# Allegro board ADRV9371-N_PCBZ_Layout_RevB.brd (continued)
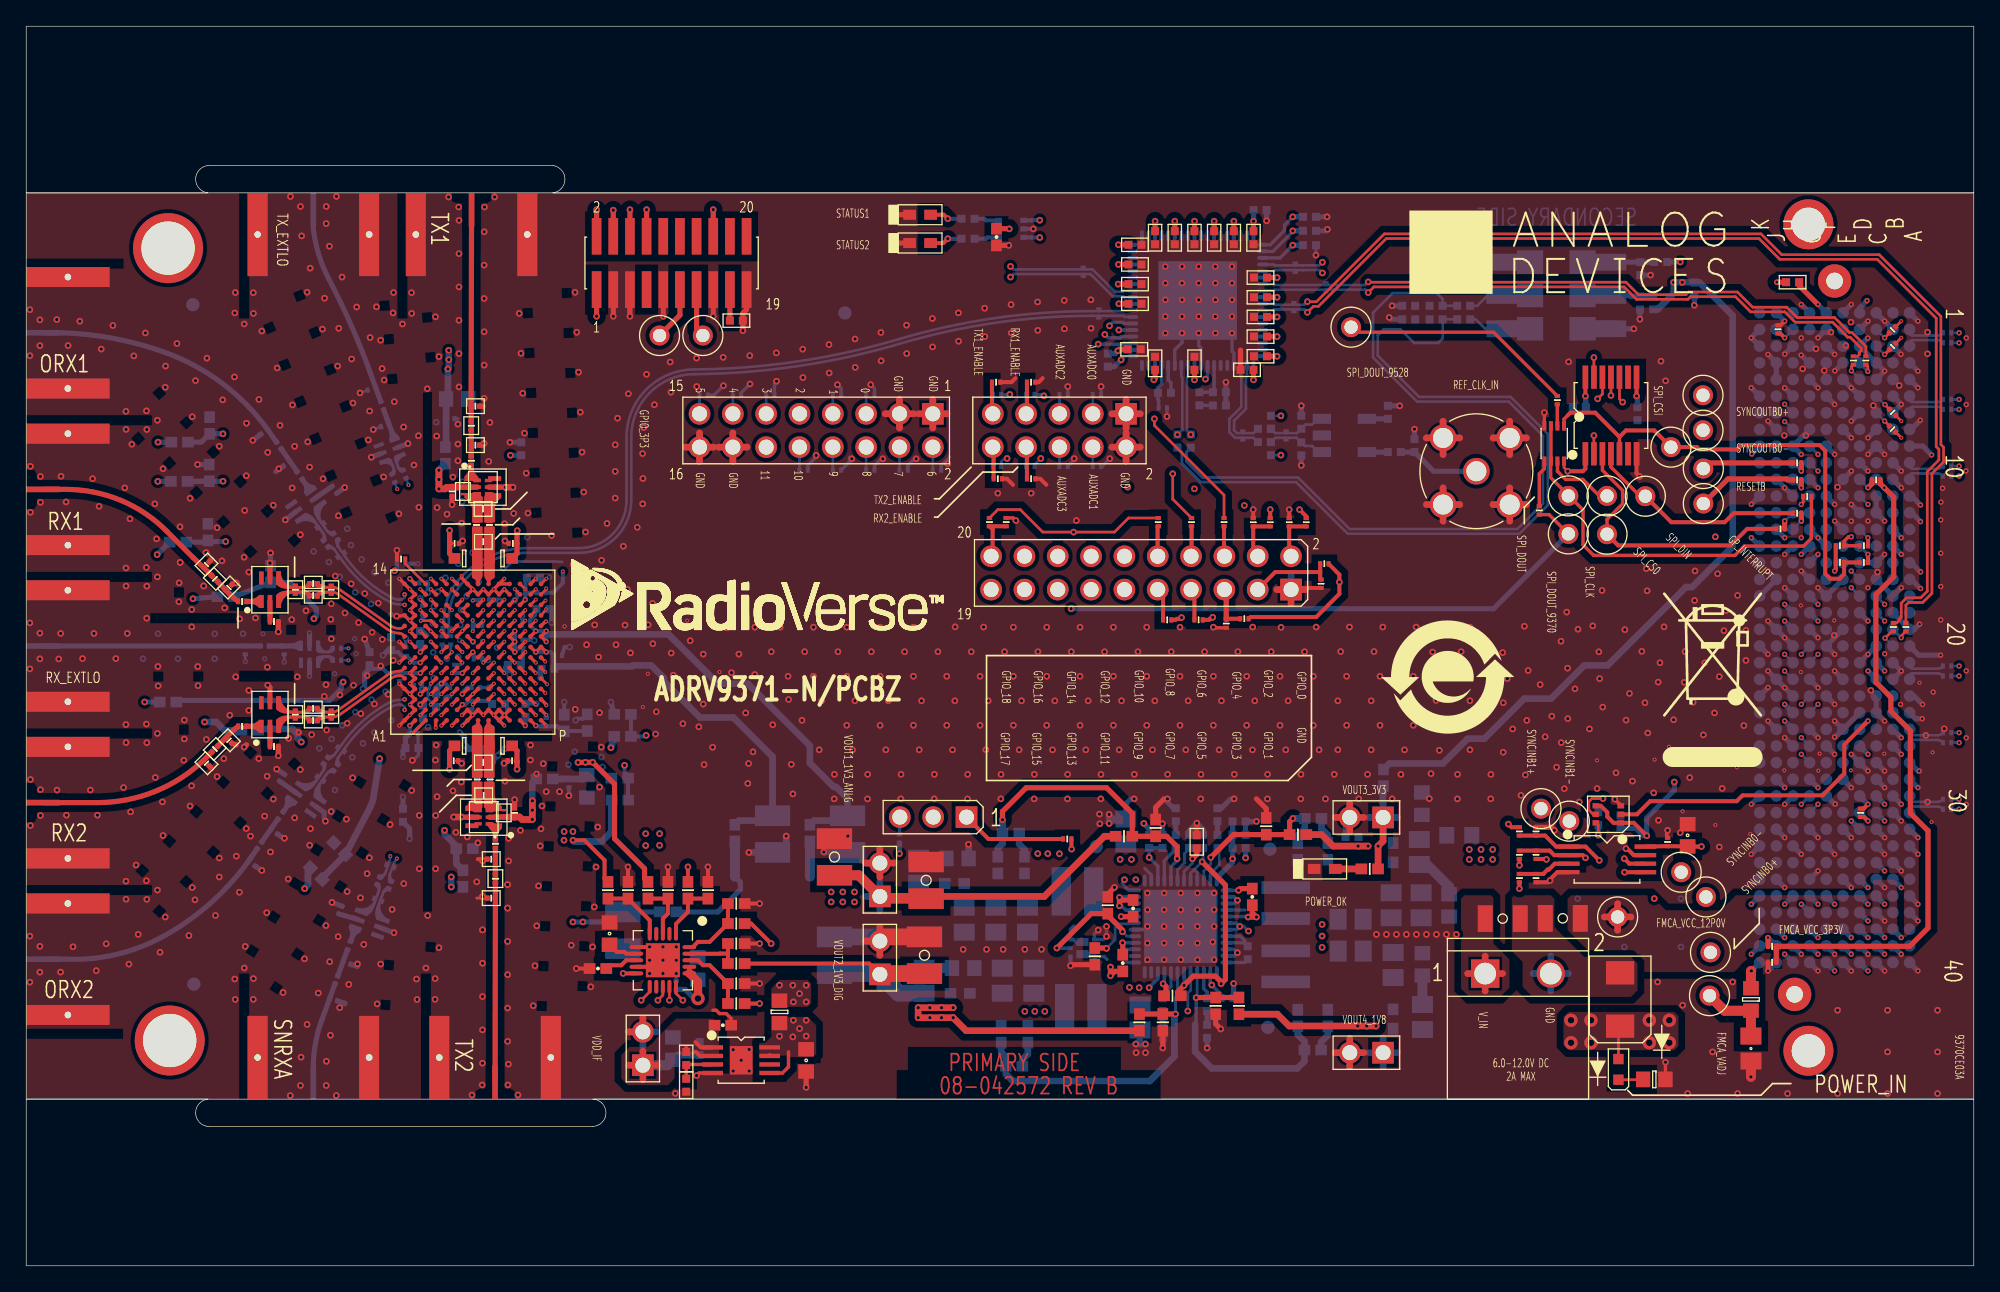
[diagram p0: board, top side]
## Placement (name value [footprint] x y rotation side) (continued)
R317  TBD0201  [R0201]  35.35 37.07 270 top
R318  TBD0201  [R0201]  34.37 37.07 270 top
R401  49.9  [R0402]  105.81 62.52 270 bottom
R402  0  [R0402]  103.78 65.06 270 bottom
R403  24.9  [R0402]  97.18 64.3 270 bottom
R404  24.9  [R0402]  97.18 62.27 270 bottom
R405  100  [R0201]  96.02 63.29 270 bottom
R406  100  [R0201]  92.72 63.29 270 bottom
R407  0  [R0402]  124.57 76.52 180 bottom
R408  0  [R0402]  124.01 73.41 270 bottom
R409  0  [R0402]  122.99 73.41 90 bottom
R410  0  [R0402]  109.56 72.15 180 bottom
R411  0  [R0402]  109.56 73.18 180 bottom
R412  49.9  [R0402]  107.46 72.15 0 bottom
R413  0  [R0402]  107.46 73.18 180 bottom
R414  0  [R0402]  87.74 62.86 90 bottom
R415  10.2K  [R0402]  89.42 66.09 90 bottom
R416  10K  [R0402]  82.44 69.04 270 bottom
R417  10K  [R0402]  97.8 77.8 180 bottom
R418  10K  [R0402]  97.8 79.96 0 bottom
R419  10K  [R0402]  97.8 78.89 0 bottom
R420  200  [R0402]  71.79 78.29 180 bottom
R421  200  [R0402]  71.79 79.82 180 bottom
R422  100  [R0201]  96.63 73.07 270 bottom
R423  100  [R0201]  96.72 76.08 90 bottom
R424  100  [R0201]  80.57 75.77 270 bottom
R425  100  [R0201]  81.75 72.59 90 bottom
R426  0  [R0201]  116.7 65.99 90 top
R427  0  [R0201]  115.33 57.58 270 top
R428  0  [R0402]  105.37 72.15 180 bottom
R429  100  [R0201]  99.07 74.6 270 bottom
R501  100  [R0201]  32.03 48.56 0 bottom
R502  10K  [R0201]  39.29 51.31 0 bottom
R503  10K  [R0201]  133.07 24.35 0 top
R504  1K  [R0201]  133.07 23.13 180 top
R505  14.3K  [R0201]  28.57 53.88 0 top
R506  10K  [R0201]  74.05 59.99 0 top
R507  10K  [R0201]  73.92 67.36 0 top
R508  10K  [R0201]  76.59 67.36 0 top
R509  10K  [R0201]  76.59 59.99 0 top
R510  10K  [R0201]  92.85 49.32 180 top
R511  10K  [R0201]  94.81 56.68 270 top
R512  10K  [R0201]  98.94 53.51 180 top
R513  10K  [R0201]  97.56 56.68 270 top
R514  10K  [R0201]  91.46 48.95 270 top
R515  10K  [R0201]  93.52 56.68 90 top
R516  10K  [R0201]  98.69 51.99 270 top
R517  10K  [R0201]  96.26 56.68 90 top
R518  10K  [R0201]  74.69 56.69 90 top
R519  0  [R0201]  86.97 49.23 0 top
R520  0  [R0201]  86.28 56.69 90 top
R521  0  [R0201]  73.42 56.69 90 top
R522  0  [R0201]  89.35 49.23 0 top
R523  0  [R0201]  88.82 56.69 90 top
R524  0  [R0201]  91.29 56.69 90 top
R525  51K  [R0402]  54.13 72.05 180 top
R601  0  [R0402#2]  48.9 26.97 180 bottom
R602  56K  [R0402#2]  54.12 19.99 0 top
R603  10K  [R0402#2]  54.12 21.51 0 top
R604  10K  [R0402#2]  54.12 23.04 180 top
R605  10K  [R0402#2]  54.12 24.56 180 top
R606  10K  [R0402#2]  54.12 26.09 180 top
R607  10K  [R0402#2]  54.12 27.61 180 top
R608  10K  [R0402#2]  50.43 28.63 270 top
R609  10K  [R0402#2]  51.96 28.63 270 top
R610  10K  [R0402#2]  47.39 28.63 270 top
R611  10K  [R0402#2]  48.91 28.63 270 top
R612  10K  [R0402#2]  44.34 28.63 270 top
R613  10K  [R0402#2]  45.86 28.63 270 top
R614  0  [R0402]  34.81 38.91 270 bottom
R615  0  [R0402]  28.71 34.34 270 bottom
R701  2K  [R0603]  124.09 14.21 180 top
R702  200  [R0201]  79.35 32.53 180 top
R703  100K  [R0402#2]  87.36 20.59 0 top
R704  10K  [R0402]  87.62 32.35 270 bottom
R705  43.2K  [R0402]  85.59 32.35 270 bottom
R706  100K  [R0402]  86.6 32.35 90 bottom
R707  10K  [R0402]  86.63 19.9 90 bottom
R708  20K  [R0402]  90.79 32.35 270 bottom
R709  56K  [R0402]  92.44 31.84 180 bottom
R710  14K  [R0402]  92.44 32.85 0 bottom
R711  20K  [R0402]  90 19.9 90 bottom
R712  0  [R0201]  66.56 32.56 270 bottom
R713  32.4K  [R0402]  88.63 32.35 90 bottom
R714  10K  [R0402#2]  86.08 33.37 90 top
R715  0  [R0402#2]  75.04 32.98 0 bottom
R716  6.34K  [R0402#2]  83.67 32.74 180 top
R717  10.7K  [R0402#2]  74.05 30.54 270 bottom
R718  47K  [R0402#2]  81.45 23.58 90 top
R719  47K  [R0402#2]  82.43 27.48 270 top
R720  10K  [R0402#2]  86.63 18.55 90 top
R721  0  [R0402#2]  75.3 15.2 0 bottom
R722  10K  [R0402#2]  74.31 17.64 90 bottom
R723  6.34K  [R0402#2]  84.85 18.55 270 top
R724  10K  [R0402#2]  94.51 33.5 270 top
R725  0  [R0402#2]  98.08 34.1 0 bottom
R726  37.4K  [R0402#2]  96.91 31.58 270 bottom
R727  31.6K  [R0402#2]  96.93 32.87 0 top
R728  10K  [R0402#2]  90.65 19.81 90 top
R729  0  [R0402#2]  98.06 16.45 0 bottom
R730  27.4K  [R0402#2]  96.91 18.88 90 bottom
R731  12.7K  [R0402#2]  92.43 19.81 270 top
R732  0.1  [R0603]  70.98 31.05 0 bottom
R733  0.1  [R0603]  71.41 22.69 0 bottom
R734  0.1  [R0603]  108.45 27.47 270 bottom
R735  200  [R0402#2]  102.4 30.25 180 top
R736  0  [R0603]  57.41 19.35 270 top
R737  0.47  [R0603]  106.41 22.97 90 bottom
R738  0  [R0603]  131.45 20.3 90 top
R739  20K  [R0402]  50.3 15.79 90 top
R740  4.99K  [R0402]  50.3 13.76 90 top
R801  0  [R0201]  133.52 71.39 270 top
R802  0  [R0201]  134.98 61.2 0 top
R803  0  [R0201]  134.98 59.91 0 top
R804  0  [R0201]  133.71 56.17 0 top
R805  0  [R0201]  134.98 57.37 0 top
R806  0  [R0201]  135.75 58.64 180 top
R807  1K  [R0402]  134.63 74.98 0 top
R808  10K  [R0201]  138.24 54.89 0 top
R809  10K  [R0201]  138.24 53.62 0 top
R810  0  [R0201]  141 59.91 180 top
R811  0  [R0201]  140.06 54.89 0 top
R812  0  [R0201]  140.06 53.62 0 top
R813  0  [R0201]  73.99 66.42 0 bottom
R814  0  [R0201]  76.53 66.42 0 bottom
R815  0  [R0201]  139.81 34.53 90 top
R816  0  [R0201]  73.99 60.93 0 bottom
R817  0  [R0201]  76.53 60.93 0 bottom
R818  20K  [R0201]  113.8 33.11 90 top
R819  20K  [R0201]  115.07 33.11 270 top
R820  20K  [R0201]  113.8 31.33 270 top
R821  20K  [R0201]  115.07 31.33 90 top
R822  20K  [R0201]  113.8 29.55 270 top
R823  20K  [R0201]  115.07 29.55 90 top
T200  2450BL15B200E  [XFMR2450BL15B050]  18.58 51.54 0 top
T201  2450BL15B200E  [XFMR2450BL15B050]  18.58 42.02 0 top
T202  2450BL15B200E  [XFMR2450BL15B050]  26.16 26.08 70 bottom
T203  2450BL15B200E  [XFMR2450BL15B050]  21.31 58.02 305 bottom
T204  2450BL15B200E  [XFMR2450BL15B050]  21.31 35.53 55 bottom
T305  2450BL15B200E  [XFMR2450BL15B050]  34.81 59.36 270 top
T306  2450BL15B200E  [XFMR2450BL15B050]  34.87 34.2 90 top
T307  HHM1595A1  [T0805_A]  21.59 46.61 0 bottom
T308  HHM1595A1  [T0805_A]  27.69 62.15 290 bottom
T309  2500BL14M050T  [T0603-6P]  34.81 59.36 270 top
T310  2500BL14M050T  [T0603-6P]  34.87 34.2 90 top
T401  MABA-007159-000000  [ETC1]  100.47 63.29 270 bottom
TP401  WHT  [CNKEY5001TP]  100.97 71.55 0 top
TP402  WHT  [CNKEY5001TP]  117.54 55.79 0 top
TP501  WHT  [CNKEY5001TP]  51.57 70.91 0 top
TP502  WHT  [CNKEY5001TP]  48.27 70.91 0 top
TP801  WHT  [CNKEY5001TP]  123.41 58.66 0 top
TP802  WHT  [CNKEY5001TP]  120.48 55.77 0 top
TP803  WHT  [CNKEY5001TP]  127.83 58.1 0 top
TP804  WHT  [CNKEY5001TP]  127.83 60.77 0 top
TP805  WHT  [CNKEY5001TP]  127.8 66.36 0 top
TP806  WHT  [CNKEY5001TP]  127.8 63.69 0 top
TP807  WHT  [CNKEY5001TP]  128.03 28.11 45 top
TP808  WHT  [CNKEY5001TP]  126.14 30 45 top
TP809  WHT  [CNKEY5001TP]  117.54 58.69 0 top
TP810  WHT  [CNKEY5001TP]  115.45 34.84 0 top
TP811  WHT  [CNKEY5001TP]  117.61 33.89 0 top
TP812  WHT  [CNKEY5001TP]  128.3 20.59 0 top
TP813  WHT  [CNKEY5001TP]  120.48 58.69 0 top
TP814  WHT  [CNKEY5001TP]  125.36 62.4 0 top
TP815  WHT  [CNKEY5001TP]  121.29 26.59 0 top
TP816  WHT  [CNKEY5001TP]  128.37 23.89 0 top
U101  AD9370  [BGA196]  34.04 46.78 0 top
U401  AD9528BCPZ  [QFN72_10X10_PAD5_3X5_3]  89.29 73.58 180 bottom
U402  NC7WZ16P6X  [SC70]  75.07 79.04 270 bottom
U403  NC7WV125K8X  [US8]  116.46 62.68 180 top
U404  ADG3301BKSZ  [SC70-6]  120.58 34.41 90 top
U405  ADG3304SRU-EP  [TSSOP14]  120.79 64.82 0 top
U601  AD7291BCPZ  [QFN20_4X4_PAD2_6X2_6]  48.52 23.29 180 top
U701  ADP5054ACPZ  [QFN48_7X7_PAD5_6X5_6]  88 25.87 270 bottom
U702  ADP125ARHZ-R7  [MSOP8_PAD2_16X1_73]  54.49 15.67 270 top
U801  M24C02-WDW6TP  [TSSOP8]  120.48 30.98 270 top
Y401  122.88MEGHZ  [YSML276W197H71]  116.62 73.96 270 bottom
Y402  122.88MEGHz  [YSML555W358H240]  116.62 73.96 270 bottom
Y403  122.88MEGHZ  [LCC4H210]  116.62 73.96 270 bottom

## Library data of the parts
C200 C202-C204 C207 C208 C211-C213 C216 C217 C219-C221 C224 C225 C227-C229 C232 C233 C235 C237 C240 C303 C304 C307-C311 C315-C319 C323 C324 C328-C331 C334 C335 = CAP: User Part Number: UPN; part number: CAP_SM-TBD0201,TBD0201,TBD0201,E005718,C0201
C201 C205 C206 C209 C214 C215 C218 C222 C223 C226 C230 C231 C234 C236 C238 C239 C241-C245 C301 C302 C305 C306 = CAP: Tolerance: 5; User Part Number: UPN; part number: CAP_SM-18PF,25V,5,E014429,C0201; tolerance: 5
C320 C325 C648 C650 C736 C804 = CAP: Tolerance: 20; User Part Number: UPN; part number: CAP_SM-10UF,6.3V,20,E007143,C0603; tolerance: 20
C321 C322 C326 C327 C501-C532 C605 C606 C610 C613 C615 C617 C619 C621 C623 C625 C627 C629 C631 C633 C635 C637 C640 C641 C649 C654 C803 = CAP: Tolerance: 10; User Part Number: UPN; part number: CAP_SM-0.1UF,6.3V,10,E011567,C0201; tolerance: 10
C332 C333 C336 C337 = CAP: Tolerance: 10; User Part Number: UPN; part number: CAP_SM-100PF,25V,10,E006763,C0201; tolerance: 10
C401-C403 C405-C409 C414-C419 C421-C439 C713 C715 C717 C719 C738 = CAP: Tolerance: 10; User Part Number: UPN; alternate symbols: C0402_ALT; part number: CAP_SM-0.1UF,16V,10,E007200,C0402; tolerance: 10
C404 = CAP: Tolerance: 10; User Part Number: UPN; alternate symbols: C0402_ALT; part number: CAP_SM-0.33UF,10V,10,E011273,C0402; tolerance: 10
C410 = CAP: Tolerance: 5; User Part Number: UPN; alternate symbols: C0402_ALT; part number: CAP_SM-180PF,50V,5,E012612,C0402; tolerance: 5
C411 C420 C603 C604 C609 C612 C614 C616 C618 C620 C622 C624 C626 C628 C630 C632 C634 C636 C643-C647 C651 C653 C702 C703 = CAP: Tolerance: 10; User Part Number: UPN; alternate symbols: C0402_ALT; part number: CAP_SM-1UF,6.3V,10,E007449,C0402; tolerance: 10
C412 = CAP: Tolerance: 5; User Part Number: UPN; alternate symbols: C0402_ALT; part number: CAP_SM-1000PF,50V,5,E012419,C0402; tolerance: 5
C413 = CAP: Tolerance: 20; User Part Number: UPN; part number: CAP_SM-0.47UF,4V,20,E008196,C0201; tolerance: 20
C601 C602 C608 C611 C638 C639 C652 = CAP: Tolerance: 20; User Part Number: UPN; part number: CAP_SM-100UF,6.3V,20,E006532,C1210; tolerance: 20
C642 C801 C802 C805 C806 = CAP: Tolerance: 10; User Part Number: UPN; part number: CAP_SM-0.01UF,10V,10,E007201,C0201; tolerance: 10
C701 C705 C707 C709 = CAP: Tolerance: 10; User Part Number: UPN; part number: CAP_SM-10UF,25V,10,E014704,C0805H60; tolerance: 10
C704 C706 = CAP: Tolerance: 10; User Part Number: UPN; alternate symbols: C0402_ALT; part number: CAP_SM-2700PF,50V,10,E006649,C0402; tolerance: 10
C708 C710 = CAP: Tolerance: 10; User Part Number: UPN; alternate symbols: C0402_ALT; part number: CAP_SM-3300PF,50V,10,E007461,C0402; tolerance: 10
C711 C712 = CAP: User Part Number: UPN; alternate symbols: C0402_ALT; part number: CAP_SM-TBD0402,TBD0402,TBD0402,E000381,C0402
C714 C716 C718 C720 C735 C737 = CAP: Tolerance: 10; User Part Number: UPN; alternate symbols: C0402_ALT; part number: CAP_SM-0.01UF,25V,10,E010983,C0402; tolerance: 10
C721-C730 C732 C739 = CAP: Tolerance: 20; User Part Number: UPN; part number: CAP_SM-47UF,6.3V,20,E008247,C0805H60; tolerance: 20
C731 = CAP: Tolerance: 20; User Part Number: UPN; part number: CAP_SM-22UF,6.3V,20,E006534,C0805H53; tolerance: 20
C733 C734 = CAP: Tolerance: 10; User Part Number: UPN; part number: CAP_SM-4.7UF,6.3V,10,E010382,C0603; tolerance: 10
CR701 = DIO: User Part Number: UPN; Tolerance: N/A; alternate symbols: (DO15_ALT); part number: DIO_SM-S2A-TP,50V,N/A,E006293,DO214AA3; tolerance: N/A
D401 D402 DS702 = DIOLED: Tolerance: N/A; User Part Number: UPN; part number: DIOLED_SM-LNJ314G8TRA (GREEN),4V,N/A,E006309,LED0603; tolerance: N/A
DS701 = DIOLED: Tolerance: N/A; User Part Number: UPN; part number: DIOLED_SM-LNJ912W8CRA1 (BLUE),2.9V,N/A,E014695,LED0603-2; tolerance: N/A
E601-E603 E605 E607 E609 E610 E612 E613 E706 = FERRITE: Tolerance: 25; User Part Number: UPN; alternate symbols: (L1210H59_ALT); part number: FERRITE_SM-30OHM,25,E015998,L0402; tolerance: 25
E604 E606 E608 E611 = FERRITE: Tolerance: 25; User Part Number: UPN; alternate symbols: (L1210H59_ALT); part number: FERRITE_SM-47OHM AT 100MHZ,25,E021634,L0402; tolerance: 25
E701 = FERRITE: Tolerance: 25; User Part Number: UPN; alternate symbols: (L1210H59_ALT); part number: FERRITE_SM-120OHM,25,E012242,L0603; tolerance: 25
E702-E704 = FERRITE: Tolerance: 25; User Part Number: UPN; alternate symbols: (L1210H59_ALT); part number: FERRITE_SM-470OHM,25,E021228,L0603; tolerance: 25
E705 = FERRITE: Tolerance: N/A; User Part Number: UPN; alternate symbols: (L1210H59_ALT); part number: FERRITE_SM-39OHM,N/A,E002359,L0805; tolerance: N/A
F701 F702 = FSFUSE: User Part Number: UPN; part number: FSFUSE_SM-2A,63V,E005321,F1206
J200-J204 J305-J308 = CNBNC5P: User Part Number: UPN; alternate symbols: (CNAMPHENOL132255-11_ALT); part number: CNBNC5P_SM-132255-11,E017863,CNAMPHENOL132255-11
J401 = CNBNC5P: User Part Number: UPN; alternate symbols: (CNAMPHENOL132255-11_ALT); part number: CNBNC5P_TH-142-0701-201,E000916,CNJOHNSON142-0701-201
L200-L202 L204-L209 L211 L213-L219 L221-L227 L229-L235 L237-L240 L301-L306 L311 L319 L323 L324 L328 L329 = IND: User Part Number: UPN; part number: IND_SM-TBD0201,TBD0201,E007524,L0201
L307 L308 L315 L316 = IND: User Part Number: UPN; part number: IND_SM-TBD0603,TBD0603,E002419,L0603
L340 L341 = IND: Tolerance: 5; User Part Number: UPN; part number: IND_SM-27NH,5,E022012,L0402; tolerance: 5
L700 L701 = IND: User Part Number: UPN; Tolerance: 20; part number: IND_SM-2.2UH,20,E016651,LSMSQ157H83; tolerance: 20
L702 L703 = IND: User Part Number: UPN; Tolerance: 20; part number: IND_SM-6.8UH,20,E017909,LSMSQ157H122; tolerance: 20
P501 = CN10P: User Part Number: UPN; part number: CN10P_TH-TSW-105-08-G-D,E006587,CNSAMTEC2X5H338LD36
P502 = CN20P: User Part Number: UPN; part number: CN20P_TH-PTC10DAAN,E000765,CNBERGF2X10H335LD32
P503 = CN16P_ODD_EVEN: User Part Number: UPN; part number: CN16P_ODD_EVEN_TH-TSW-108-08-G-D-ST,E007547,CNSAMTECTSW-108-08-G-D-ST
P504 = CN20P_V2: User Part Number: UPN; part number: CN20P_V2_SM-FTSH-110-01-L-DV-K,E020976,CNHDR2X10H251
P701 = CN2P: User Part Number: UPN; part number: CN2P_TH-Z5.530.3225.0,E008161,CNWIELAND3225
P702 = CN3P: User Part Number: UPN; part number: CN3P_TH-SAMTECTSW10608GS3PIN,E000812,CNBERG1X3H205LD36
P703-P707 = CN2P: User Part Number: UPN; part number: CN2P_TH-TSW-102-08-G-S,E006296,CNSAMTEC1X2H330LD36
P801 = CN400P_A_K: User Part Number: UPN; part number: CN400P_A_K_SM-ASP-134488-01,E011384,CNSAMTECASP-134488-01
Q701 = TRANNMOSFET_2PAD: User Part Number: UPN; part number: TRANNMOSFET_2PAD_SM-SIA906EDJ-T1-GE3,E015819,POWERPAKSC70-6
R201-R210 R212 R214 R215 R218 R220 R222 R223 R226 R228 R230 R231 R234 R236 R238 R239 R301-R304 R312 R313 R426 R427 R519-R524 R712 R801-R806 R810-R817 = RES: Tolerance: 5; User Part Number: UPN; part number: RES_SM-0,E004015,1/20W,5,R0201; tolerance: 5
R309 R310 R317 R318 = RES: User Part Number: UPN; part number: RES_SM-TBD0201,E004055,TBD0201,TBD0201,R0201
R401 R412 = RES: Tolerance: 1; User Part Number: UPN; alternate symbols: R0402_ALT; part number: RES_SM-49.9,E003750,1/16W,1,R0402; tolerance: 1
R402 R407-R411 R413 R414 R428 R601 R614 R615 = RES: Tolerance: 5; User Part Number: UPN; alternate symbols: R0402_ALT; part number: RES_SM-0,E003438,1/16W,5,R0402; tolerance: 5
R403 R404 = RES: Tolerance: 1; User Part Number: UPN; alternate symbols: R0402_ALT; part number: RES_SM-24.9,E003773,1/16W,1,R0402; tolerance: 1
R405 R406 = RES: Tolerance: 1; User Part Number: UPN; alternate symbols: R0402_ALT; part number: RES_SM-100,E007239,1/20W,1,R0201; tolerance: 1
R415 = RES: Tolerance: 1; User Part Number: UPN; alternate symbols: R0402_ALT; part number: RES_SM-10.2K,E019451,1/16W,1,R0402; tolerance: 1
R416-R419 R704 R707 = RES: Tolerance: 1; User Part Number: UPN; alternate symbols: R0402_ALT; part number: RES_SM-10K,E003751,1/16W,1,R0402; tolerance: 1
R420 R421 = RES: Tolerance: 1; User Part Number: UPN; alternate symbols: R0402_ALT; part number: RES_SM-200,E003753,1/16W,1,R0402; tolerance: 1
R422-R425 R429 R501 = RES: Tolerance: 1; User Part Number: UPN; part number: RES_SM-100,E007239,1/20W,1,R0201; tolerance: 1
R502 R503 R506-R518 R808 R809 = RES: Tolerance: 1; User Part Number: UPN; part number: RES_SM-10K,E004011,1/20W,1,R0201; tolerance: 1
R504 = RES: Tolerance: 1; User Part Number: UPN; part number: RES_SM-1K,E004010,1/20W,1,R0201; tolerance: 1
R505 = RES: Tolerance: 1; User Part Number: UPN; part number: RES_SM-14.3K,E014068,1/20W,1,R0201; tolerance: 1
R525 = RES: Tolerance: 1; User Part Number: UPN; alternate symbols: R0402_ALT; part number: RES_SM-51K,E013080,1/10W,1,R0402; tolerance: 1
R602 R709 = RES: Tolerance: 1; User Part Number: UPN; alternate symbols: R0402_ALT; part number: RES_SM-56K,E017978,1/10W,1,R0402; tolerance: 1
R603-R613 R714 R720 R722 R724 R728 = RES: Tolerance: 1; User Part Number: UPN; part number: RES_SM-10K,E003751,1/16W,1,R0402; tolerance: 1
R701 = RES: Tolerance: 1; User Part Number: UPN; part number: RES_SM-2K,E017866,1/16W,1,R0603; tolerance: 1
R702 = RES: Tolerance: 1; User Part Number: UPN; part number: RES_SM-200,E004008,1/20W,1,R0201; tolerance: 1
R703 R706 = RES: Tolerance: 5; User Part Number: UPN; alternate symbols: R0402_ALT; part number: RES_SM-100K,E003464,1/10W,5,R0402; tolerance: 5
R705 = RES: Tolerance: 1; User Part Number: UPN; alternate symbols: R0402_ALT; part number: RES_SM-43.2K,E018504,1/10W,1,R0402; tolerance: 1
R708 R711 R739 = RES: Tolerance: 1; User Part Number: UPN; alternate symbols: R0402_ALT; part number: RES_SM-20K,E003791,1/16W,1,R0402; tolerance: 1
R710 = RES: Tolerance: 1; User Part Number: UPN; alternate symbols: R0402_ALT; part number: RES_SM-14K,E019660,1/16W,1,R0402; tolerance: 1
R713 = RES: Tolerance: 1; User Part Number: UPN; alternate symbols: R0402_ALT; part number: RES_SM-32.4K,E017609,1/10W,1,R0402; tolerance: 1
R715 R721 R725 R729 = RES: Tolerance: 5; User Part Number: UPN; part number: RES_SM-0,E003438,1/16W,5,R0402; tolerance: 5
R716 R723 = RES: Tolerance: 1; User Part Number: UPN; part number: RES_SM-6.34K,E003777,1/16W,1,R0402; tolerance: 1
R717 = RES: Tolerance: 1; User Part Number: UPN; part number: RES_SM-10.7K,E019637,1/16W,1,R0402; tolerance: 1
R718 R719 = RES: Tolerance: 1; User Part Number: UPN; part number: RES_SM-47K,E008189,1/16W,1,R0402; tolerance: 1
R726 = RES: Tolerance: 1; User Part Number: UPN; part number: RES_SM-37.4K,E017173,1/10W,1,R0402; tolerance: 1
R727 = RES: Tolerance: 1; User Part Number: UPN; part number: RES_SM-31.6K,E019881,1/10W,1,R0402; tolerance: 1
R730 = RES: Tolerance: 1; User Part Number: UPN; part number: RES_SM-27.4K,E021819,1/10W,1,R0402; tolerance: 1
R731 = RES: Tolerance: 1; User Part Number: UPN; part number: RES_SM-12.7K,E019976,1/10W,1,R0402; tolerance: 1
R732-R734 = RES: Tolerance: 1; User Part Number: UPN; part number: RES_SM-0.1,E016658,1/10W,1,R0603; tolerance: 1
R735 = RES: Tolerance: 1; User Part Number: UPN; part number: RES_SM-200,E003753,1/16W,1,R0402; tolerance: 1
R736 R738 = RES: Tolerance: 5; User Part Number: UPN; part number: RES_SM-0,E006826,1/10W,5,R0603; tolerance: 5
R737 = RES: Tolerance: 5; User Part Number: UPN; part number: RES_SM-0.47,E015794,1/10W,5,R0603; tolerance: 5
R740 = RES: Tolerance: 1; User Part Number: UPN; alternate symbols: R0402_ALT; part number: RES_SM-4.99K,E006643,1/16W,1,R0402; tolerance: 1
R807 = RES: Tolerance: 5; User Part Number: UPN; alternate symbols: R0402_ALT; part number: RES_SM-1K,E020936,1/16W,5,R0402; tolerance: 5
R818-R823 = RES: Tolerance: 1; User Part Number: UPN; part number: RES_SM-20K,E004013,1/20W,1,R0201; tolerance: 1
T200-T204 T305 T306 = XFMR3600BL: User Part Number: UPN; alternate symbols: (XFMR2012); part number: XFMR3600BL_SM-2450BL15B200E,E011952,XFMR2450BL15B050
T307 T308 = XFMRBD0826: User Part Number: UPN; part number: XFMRBD0826_SM-HHM1595A1,E016462,T0805_A
T309 T310 = XFMR3600BL: User Part Number: UPN; alternate symbols: (XFMR2012); part number: XFMR3600BL_SM-2500BL14M050T,E011543,T0603-6P
T401 = XFMRETC1: User Part Number: UPN; part number: XFMRETC1_SM-MABA-007159-000000,E006308,ETC1
TP401 TP402 TP501 TP502 TP801-TP816 = CNTP1P: User Part Number: UPN; alternate symbols: (CNBANANA_ALT); part number: CNTP1P_TH-WHT,E005683,CNKEY5001TP
U101 = AD9370_V2: User Part Number: UPN; alternate symbols: (RDC-9501-14-0250); part number: AD9370_V2_SM-AD9370,E020941,BGA196
U401 = AD9528: User Part Number: UPN; part number: AD9528_SM-AD9528BCPZ,E019427,QFN72_10X10_PAD5_3X5_3
U402 = NC7WZ17P6X: User Part Number: UPN; part number: NC7WZ17P6X_SM-NC7WZ16P6X,E002060,SC70
U403 = CMOSNC7WV125K8X: User Part Number: UPN; part number: CMOSNC7WV125K8X_SM-NC7WV125K8X,E017378,US8
U404 = ADG3301: User Part Number: UPN; part number: ADG3301_SM-ADG3301BKSZ,E010847,SC70-6
U405 = ADG3304: User Part Number: UPN; part number: ADG3304_SM-ADG3304SRU-EP,E020776,TSSOP14
U601 = AD7291: User Part Number: UPN; part number: AD7291_SM-AD7291BCPZ,E017361,QFN20_4X4_PAD2_6X2_6
U701 = ADP5054: User Part Number: UPN; part number: ADP5054_SM-ADP5054ACPZ,E019222,QFN48_7X7_PAD5_6X5_6
U702 = ADP125: User Part Number: UPN; part number: ADP125_SM-ADP125ARHZ-R7,E012587,MSOP8_PAD2_16X1_73
U801 = ICM24CXX: User Part Number: UPN; part number: ICM24CXX_SM-M24C02-WDW6TP,E017713,TSSOP8
Y401 = XTALOSC6P: User Part Number: UPN; part number: XTALOSC6P_SM-122.88MEGHZ,E013348,YSML276W197H71
Y402 = XTALOSC6P_V2: User Part Number: UPN; part number: XTALOSC6P_V2_SM-122.88MEGHZ,E010834,YSML555W358H240
Y403 = XTALCPP: User Part Number: UPN; part number: XTALCPP_SM-122.88MEGHZ,E015639,LCC4H210

## Footprints (pads in the part's own frame, mm; a bottom-side part is the same pattern mirrored in y, then rotated)
BGA196
  round 0.356 smd: A1(-5.2,-5.2) A2(-5.2,-4.4) A3(-5.2,-3.6) A4(-5.2,-2.8) A5(-5.2,-2) A6(-5.2,-1.2) A7(-5.2,-0.4) A8(-5.2,0.4) A9(-5.2,1.2) A10(-5.2,2) A11(-5.2,2.8) A12(-5.2,3.6) A13(-5.2,4.4) A14(-5.2,5.2) B1(-4.4,-5.2) B2(-4.4,-4.4) B3(-4.4,-3.6) B4(-4.4,-2.8) B5(-4.4,-2) B6(-4.4,-1.2) B7(-4.4,-0.4) B8(-4.4,0.4) B9(-4.4,1.2) B10(-4.4,2) B11(-4.4,2.8) B12(-4.4,3.6) B13(-4.4,4.4) B14(-4.4,5.2) C1(-3.6,-5.2) C2(-3.6,-4.4) C3(-3.6,-3.6) C4(-3.6,-2.8) C5(-3.6,-2) C6(-3.6,-1.2) C7(-3.6,-0.4) C8(-3.6,0.4) C9(-3.6,1.2) C10(-3.6,2) C11(-3.6,2.8) C12(-3.6,3.6) C13(-3.6,4.4) C14(-3.6,5.2) D1(-2.8,-5.2) D2(-2.8,-4.4) D3(-2.8,-3.6) D4(-2.8,-2.8) D5(-2.8,-2) D6(-2.8,-1.2) D7(-2.8,-0.4) D8(-2.8,0.4) D9(-2.8,1.2) D10(-2.8,2) D11(-2.8,2.8) D12(-2.8,3.6) D13(-2.8,4.4) D14(-2.8,5.2) E1(-2,-5.2) E2(-2,-4.4) E3(-2,-3.6) E4(-2,-2.8) E5(-2,-2) E6(-2,-1.2) E7(-2,-0.4) E8(-2,0.4) E9(-2,1.2) E10(-2,2) E11(-2,2.8) E12(-2,3.6) E13(-2,4.4) E14(-2,5.2) F1(-1.2,-5.2) F2(-1.2,-4.4) F3(-1.2,-3.6) F4(-1.2,-2.8) F5(-1.2,-2) F6(-1.2,-1.2) F7(-1.2,-0.4) F8(-1.2,0.4) F9(-1.2,1.2) F10(-1.2,2) F11(-1.2,2.8) F12(-1.2,3.6) F13(-1.2,4.4) F14(-1.2,5.2) G1(-0.4,-5.2) G2(-0.4,-4.4) G3(-0.4,-3.6) G4(-0.4,-2.8) G5(-0.4,-2) G6(-0.4,-1.2) G7(-0.4,-0.4) G8(-0.4,0.4) G9(-0.4,1.2) G10(-0.4,2) G11(-0.4,2.8) G12(-0.4,3.6) G13(-0.4,4.4) G14(-0.4,5.2) H1(0.4,-5.2) H2(0.4,-4.4) H3(0.4,-3.6) H4(0.4,-2.8) H5(0.4,-2) H6(0.4,-1.2) H7(0.4,-0.4) H8(0.4,0.4) H9(0.4,1.2) H10(0.4,2) H11(0.4,2.8) H12(0.4,3.6) H13(0.4,4.4) H14(0.4,5.2) J1(1.2,-5.2) J2(1.2,-4.4) J3(1.2,-3.6) J4(1.2,-2.8) J5(1.2,-2) J6(1.2,-1.2) J7(1.2,-0.4) J8(1.2,0.4) J9(1.2,1.2) J10(1.2,2) J11(1.2,2.8) J12(1.2,3.6) J13(1.2,4.4) J14(1.2,5.2) K1(2,-5.2) K2(2,-4.4) K3(2,-3.6) K4(2,-2.8) K5(2,-2) K6(2,-1.2) K7(2,-0.4) K8(2,0.4) K9(2,1.2) K10(2,2) K11(2,2.8) K12(2,3.6) K13(2,4.4) K14(2,5.2) L1(2.8,-5.2) L2(2.8,-4.4) L3(2.8,-3.6) L4(2.8,-2.8) L5(2.8,-2) L6(2.8,-1.2) L7(2.8,-0.4) L8(2.8,0.4) L9(2.8,1.2) L10(2.8,2) L11(2.8,2.8) L12(2.8,3.6) L13(2.8,4.4) L14(2.8,5.2) M1(3.6,-5.2) M2(3.6,-4.4) M3(3.6,-3.6) M4(3.6,-2.8) M5(3.6,-2) M6(3.6,-1.2) M7(3.6,-0.4) M8(3.6,0.4) M9(3.6,1.2) M10(3.6,2) M11(3.6,2.8) M12(3.6,3.6) M13(3.6,4.4) M14(3.6,5.2) N1(4.4,-5.2) N2(4.4,-4.4) N3(4.4,-3.6) N4(4.4,-2.8) N5(4.4,-2) N6(4.4,-1.2) N7(4.4,-0.4) N8(4.4,0.4) N9(4.4,1.2) N10(4.4,2) N11(4.4,2.8) N12(4.4,3.6) N13(4.4,4.4) N14(4.4,5.2) P1(5.2,-5.2) P2(5.2,-4.4) P3(5.2,-3.6) P4(5.2,-2.8) P5(5.2,-2) P6(5.2,-1.2) P7(5.2,-0.4) P8(5.2,0.4) P9(5.2,1.2) P10(5.2,2) P11(5.2,2.8) P12(5.2,3.6) P13(5.2,4.4) P14(5.2,5.2)
C0201
  rect 0.305x0.406 smd: 1(-0.318,0) 2(0.318,0)
C0402
  rect 0.61x0.61 smd: 1(-0.495,0) 2(0.495,0)
C0402#2
  rect 0.889x0.813 smd: 1(-0.635,0) 2(0.635,0)
C0603
  rect 1.092x1.194 smd: 1(-0.851,0) 2(0.851,0)
C0805H53
  rect 1.295x1.6 smd: 1(-0.953,0) 2(0.953,0)
C0805H60
  rect 1.295x1.6 smd: 1(-0.953,0) 2(0.953,0)
C1210
  rect 1.575x2.692 smd: 1(-1.397,0) 2(1.397,0)
CNAMPHENOL132255-11
  rect 2.54x0.432 smd: 1(-0.508,0)
  rect 6.35x1.524 hole 0.508: 2(-2.413,4.25) 4(-2.413,-4.25)
  round 0.305 smd: 3(-2.413,4.25) 5(-2.413,-4.25)
CNBERG1X3H205LD36
  rect 1.651x1.651 hole 1.143: 1(0,0)
  round 1.651 hole 1.143: 2(2.54,0) 3(5.08,0)
CNBERGF2X10H335LD32
  rect 1.651x1.651 hole 1.143: 1(0,0)
  round 1.651 hole 1.143: 2(0,-2.54) 3(2.54,0) 4(2.54,-2.54) 5(5.08,0) 6(5.08,-2.54) 7(7.62,0) 8(7.62,-2.54) 9(10.16,0) 10(10.16,-2.54) 11(12.7,0) 12(12.7,-2.54) 13(15.24,0) 14(15.24,-2.54) 15(17.78,0) 16(17.78,-2.54) 17(20.32,0) 18(20.32,-2.54) 19(22.86,0) 20(22.86,-2.54)
CNHDR2X10H251
  rect 0.737x2.794 smd: 1(-5.715,-2.032) 2(-5.715,2.032) 3(-4.445,-2.032) 4(-4.445,2.032) 5(-3.175,-2.032) 6(-3.175,2.032) 7(-1.905,-2.032) 8(-1.905,2.032) 9(-0.635,-2.032) 10(-0.635,2.032) 11(0.635,-2.032) 12(0.635,2.032) 13(1.905,-2.032) 14(1.905,2.032) 15(3.175,-2.032) 16(3.175,2.032) 17(4.445,-2.032) 18(4.445,2.032) 19(5.715,-2.032) 20(5.715,2.032)
CNJOHNSON142-0701-201
  round 2.032 hole 1.524: 1(0,0) 2(-2.54,2.54) 3(2.54,2.54) 4(2.54,-2.54) 5(-2.54,-2.54)
CNKEY5001TP
  round 1.524 hole 1.016: 1(0,0)
CNSAMTEC1X2H330LD36
  rect 1.651x1.651 hole 1.143: 1(0,0)
  round 1.651 hole 1.143: 2(2.54,0)
CNSAMTEC2X5H338LD36
  rect 1.651x1.651 hole 1.143: 1(0,0)
  round 1.651 hole 1.143: 2(0,2.54) 3(2.54,0) 4(2.54,2.54) 5(5.08,0) 6(5.08,2.54) 7(7.62,0) 8(7.62,2.54) 9(10.16,0) 10(10.16,2.54)
CNSAMTECASP-134488-01
  round 2.54 hole 1.27 unplated: (-2.426,5.715) (51.956,8.763)
  round 0.889 smd: A1(0,0) A2(1.27,0) A3(2.54,0) A4(3.81,0) A5(5.08,0) A6(6.35,0) A7(7.62,0) A8(8.89,0) A9(10.16,0) A10(11.43,0) A11(12.7,0) A12(13.97,0) A13(15.24,0) A14(16.51,0) A15(17.78,0) A16(19.05,0) A17(20.32,0) A18(21.59,0) A19(22.86,0) A20(24.13,0) A21(25.4,0) A22(26.67,0) A23(27.94,0) A24(29.21,0) A25(30.48,0) A26(31.75,0) A27(33.02,0) A28(34.29,0) A29(35.56,0) A30(36.83,0) A31(38.1,0) A32(39.37,0) A33(40.64,0) A34(41.91,0) A35(43.18,0) A36(44.45,0) A37(45.72,0) A38(46.99,0) A39(48.26,0) A40(49.53,0) B1(0,1.27) B2(1.27,1.27) B3(2.54,1.27) B4(3.81,1.27) B5(5.08,1.27) B6(6.35,1.27) B7(7.62,1.27) B8(8.89,1.27) B9(10.16,1.27) B10(11.43,1.27) B11(12.7,1.27) B12(13.97,1.27) B13(15.24,1.27) B14(16.51,1.27) B15(17.78,1.27) B16(19.05,1.27) B17(20.32,1.27) B18(21.59,1.27) B19(22.86,1.27) B20(24.13,1.27) B21(25.4,1.27) B22(26.67,1.27) B23(27.94,1.27) B24(29.21,1.27) B25(30.48,1.27) B26(31.75,1.27) B27(33.02,1.27) B28(34.29,1.27) B29(35.56,1.27) B30(36.83,1.27) B31(38.1,1.27) B32(39.37,1.27) B33(40.64,1.27) B34(41.91,1.27) B35(43.18,1.27) B36(44.45,1.27) B37(45.72,1.27) B38(46.99,1.27) B39(48.26,1.27) B40(49.53,1.27) C1(0,2.54) C2(1.27,2.54) C3(2.54,2.54) C4(3.81,2.54) C5(5.08,2.54) C6(6.35,2.54) C7(7.62,2.54) C8(8.89,2.54) C9(10.16,2.54) C10(11.43,2.54) C11(12.7,2.54) C12(13.97,2.54) C13(15.24,2.54) C14(16.51,2.54) C15(17.78,2.54) C16(19.05,2.54) C17(20.32,2.54) C18(21.59,2.54) C19(22.86,2.54) C20(24.13,2.54) C21(25.4,2.54) C22(26.67,2.54) C23(27.94,2.54) C24(29.21,2.54) C25(30.48,2.54) C26(31.75,2.54) C27(33.02,2.54) C28(34.29,2.54) C29(35.56,2.54) C30(36.83,2.54) C31(38.1,2.54) C32(39.37,2.54) C33(40.64,2.54) C34(41.91,2.54) C35(43.18,2.54) C36(44.45,2.54) C37(45.72,2.54) C38(46.99,2.54) C39(48.26,2.54) C40(49.53,2.54) D1(0,3.81) D2(1.27,3.81) D3(2.54,3.81) D4(3.81,3.81) D5(5.08,3.81) D6(6.35,3.81) D7(7.62,3.81) D8(8.89,3.81) D9(10.16,3.81) D10(11.43,3.81) D11(12.7,3.81) D12(13.97,3.81) D13(15.24,3.81) D14(16.51,3.81) D15(17.78,3.81) D16(19.05,3.81) D17(20.32,3.81) D18(21.59,3.81) D19(22.86,3.81) D20(24.13,3.81) D21(25.4,3.81) D22(26.67,3.81) D23(27.94,3.81) D24(29.21,3.81) D25(30.48,3.81) D26(31.75,3.81) D27(33.02,3.81) D28(34.29,3.81) D29(35.56,3.81) D30(36.83,3.81) D31(38.1,3.81) D32(39.37,3.81) D33(40.64,3.81) D34(41.91,3.81) D35(43.18,3.81) D36(44.45,3.81) D37(45.72,3.81) D38(46.99,3.81) D39(48.26,3.81) D40(49.53,3.81) E1(0,5.08) E2(1.27,5.08) E3(2.54,5.08) E4(3.81,5.08) E5(5.08,5.08) E6(6.35,5.08) E7(7.62,5.08) E8(8.89,5.08) E9(10.16,5.08) E10(11.43,5.08) E11(12.7,5.08) E12(13.97,5.08) E13(15.24,5.08) E14(16.51,5.08) E15(17.78,5.08) E16(19.05,5.08) E17(20.32,5.08) E18(21.59,5.08) E19(22.86,5.08) E20(24.13,5.08) E21(25.4,5.08) E22(26.67,5.08) E23(27.94,5.08) E24(29.21,5.08) E25(30.48,5.08) E26(31.75,5.08) E27(33.02,5.08) E28(34.29,5.08) E29(35.56,5.08) E30(36.83,5.08) E31(38.1,5.08) E32(39.37,5.08) E33(40.64,5.08) E34(41.91,5.08) E35(43.18,5.08) E36(44.45,5.08) E37(45.72,5.08) E38(46.99,5.08) E39(48.26,5.08) E40(49.53,5.08) F1(0,6.35) F2(1.27,6.35) F3(2.54,6.35) F4(3.81,6.35) F5(5.08,6.35) F6(6.35,6.35) F7(7.62,6.35) F8(8.89,6.35) F9(10.16,6.35) F10(11.43,6.35) F11(12.7,6.35) F12(13.97,6.35) F13(15.24,6.35) F14(16.51,6.35) F15(17.78,6.35) F16(19.05,6.35) F17(20.32,6.35) F18(21.59,6.35) F19(22.86,6.35) F20(24.13,6.35) F21(25.4,6.35) F22(26.67,6.35) F23(27.94,6.35) F24(29.21,6.35) F25(30.48,6.35) F26(31.75,6.35) F27(33.02,6.35) F28(34.29,6.35) F29(35.56,6.35) F30(36.83,6.35) F31(38.1,6.35) F32(39.37,6.35) F33(40.64,6.35) F34(41.91,6.35) F35(43.18,6.35) F36(44.45,6.35) F37(45.72,6.35) F38(46.99,6.35) F39(48.26,6.35) F40(49.53,6.35) G1(0,7.62) G2(1.27,7.62) G3(2.54,7.62) G4(3.81,7.62) G5(5.08,7.62) G6(6.35,7.62) G7(7.62,7.62) G8(8.89,7.62) G9(10.16,7.62) G10(11.43,7.62) G11(12.7,7.62) G12(13.97,7.62) G13(15.24,7.62) G14(16.51,7.62) G15(17.78,7.62) G16(19.05,7.62) G17(20.32,7.62) G18(21.59,7.62) G19(22.86,7.62) G20(24.13,7.62) G21(25.4,7.62) G22(26.67,7.62) G23(27.94,7.62) G24(29.21,7.62) G25(30.48,7.62) G26(31.75,7.62) G27(33.02,7.62) G28(34.29,7.62) G29(35.56,7.62) G30(36.83,7.62) G31(38.1,7.62) G32(39.37,7.62) G33(40.64,7.62) G34(41.91,7.62) G35(43.18,7.62) G36(44.45,7.62) G37(45.72,7.62) G38(46.99,7.62) G39(48.26,7.62) G40(49.53,7.62) H1(0,8.89) H2(1.27,8.89) H3(2.54,8.89) H4(3.81,8.89) H5(5.08,8.89) H6(6.35,8.89) H7(7.62,8.89) H8(8.89,8.89) H9(10.16,8.89) H10(11.43,8.89) H11(12.7,8.89) H12(13.97,8.89) H13(15.24,8.89) H14(16.51,8.89) H15(17.78,8.89) H16(19.05,8.89) H17(20.32,8.89) H18(21.59,8.89) H19(22.86,8.89) H20(24.13,8.89) H21(25.4,8.89) H22(26.67,8.89) H23(27.94,8.89) H24(29.21,8.89) H25(30.48,8.89) H26(31.75,8.89) H27(33.02,8.89) H28(34.29,8.89) H29(35.56,8.89) H30(36.83,8.89) H31(38.1,8.89) H32(39.37,8.89) H33(40.64,8.89) H34(41.91,8.89) H35(43.18,8.89) H36(44.45,8.89) H37(45.72,8.89) H38(46.99,8.89) H39(48.26,8.89) H40(49.53,8.89) J1(0,10.16) J2(1.27,10.16) J3(2.54,10.16) J4(3.81,10.16) J5(5.08,10.16) J6(6.35,10.16) J7(7.62,10.16) J8(8.89,10.16) J9(10.16,10.16) J10(11.43,10.16) J11(12.7,10.16) J12(13.97,10.16) J13(15.24,10.16) J14(16.51,10.16) J15(17.78,10.16) J16(19.05,10.16) J17(20.32,10.16) J18(21.59,10.16) J19(22.86,10.16) J20(24.13,10.16) J21(25.4,10.16) J22(26.67,10.16) J23(27.94,10.16) J24(29.21,10.16) J25(30.48,10.16) J26(31.75,10.16) J27(33.02,10.16) J28(34.29,10.16) J29(35.56,10.16) J30(36.83,10.16) J31(38.1,10.16) J32(39.37,10.16) J33(40.64,10.16) J34(41.91,10.16) J35(43.18,10.16) J36(44.45,10.16) J37(45.72,10.16) J38(46.99,10.16) J39(48.26,10.16) J40(49.53,10.16) K1(0,11.43) K2(1.27,11.43) K3(2.54,11.43) K4(3.81,11.43) K5(5.08,11.43) K6(6.35,11.43) K7(7.62,11.43) K8(8.89,11.43) K9(10.16,11.43) K10(11.43,11.43) K11(12.7,11.43) K12(13.97,11.43) K13(15.24,11.43) K14(16.51,11.43) K15(17.78,11.43) K16(19.05,11.43) K17(20.32,11.43) K18(21.59,11.43) K19(22.86,11.43) K20(24.13,11.43) K21(25.4,11.43) K22(26.67,11.43) K23(27.94,11.43) K24(29.21,11.43) K25(30.48,11.43) K26(31.75,11.43) K27(33.02,11.43) K28(34.29,11.43) K29(35.56,11.43) K30(36.83,11.43) K31(38.1,11.43) K32(39.37,11.43) K33(40.64,11.43) K34(41.91,11.43) K35(43.18,11.43) K36(44.45,11.43) K37(45.72,11.43) K38(46.99,11.43) K39(48.26,11.43) K40(49.53,11.43)
